# Altium PCB TempdevAmmy1009.PcbDoc (part 3 of 4)
Units mm, origin at the board's own origin, x right, y up, seen from the top; angles counter-clockwise.
Board outline 80.31 x 100.3 mm, 2 copper layers (Top Layer, Bottom Layer); 948 components, 586 nets, 3088 pads, 189 vias.
Unrouted connection lines stored in the file: 1751.
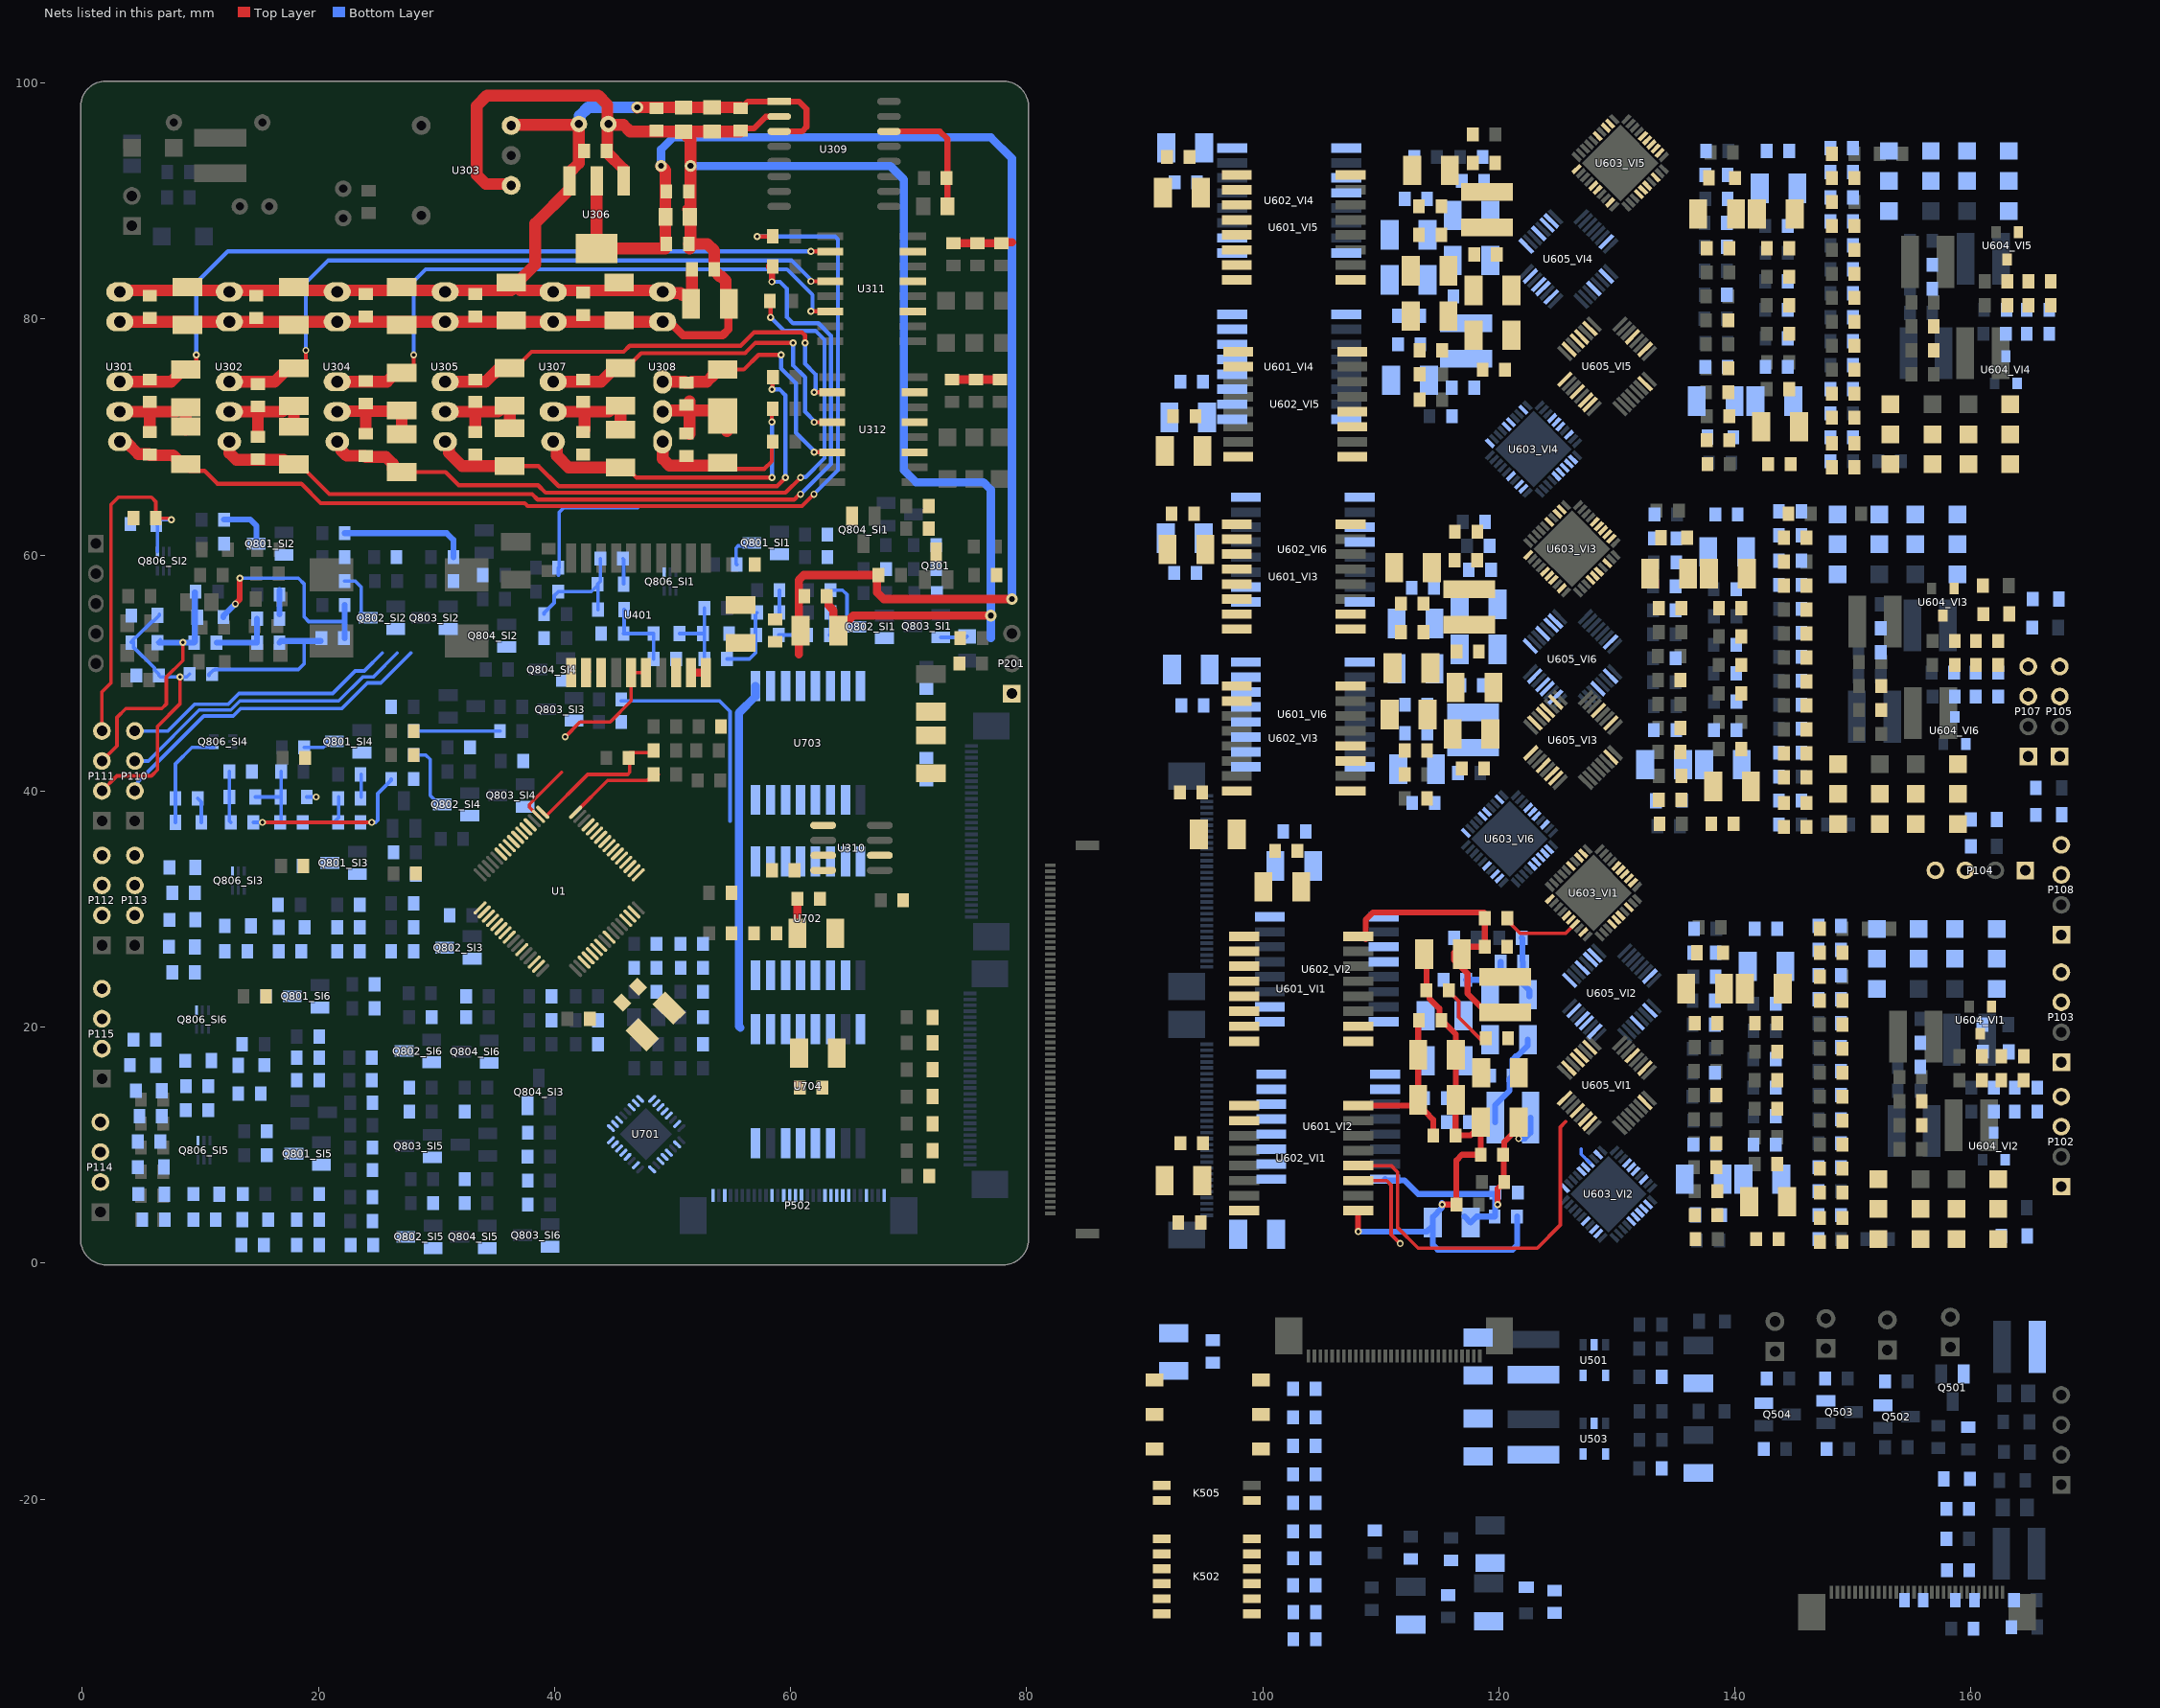
[diagram p3: the nets of this part, all layers, seen from the top]

## Footprints (in the part's own frame and the unit in brackets; to place one, negate y for a bottom-side part, rotate by r counter-clockwise, add the part's x,y. Pads: shape width x height; smd on the part's side, far side on the other; paste and mask are expansions set on the pad) (continued)
TI-RHB32-3150X3150TP_V [mm]
  oval 0.85x0.28 smd: 1(-2.475,1.75) 2(-2.475,1.25) 3(-2.475,0.75) 4(-2.475,0.25) 5(-2.475,-0.25) 6(-2.475,-0.75) 7(-2.475,-1.25) 8(-2.475,-1.75) 17(2.475,-1.75) 18(2.475,-1.25) 19(2.475,-0.75) 20(2.475,-0.25) 21(2.475,0.25) 22(2.475,0.75) 23(2.475,1.25) 24(2.475,1.75)
  oval 0.28x0.85 smd: 9(-1.75,-2.475) 10(-1.25,-2.475) 11(-0.75,-2.475) 12(-0.25,-2.475) 13(0.25,-2.475) 14(0.75,-2.475) 15(1.25,-2.475) 16(1.75,-2.475) 25(1.75,2.475) 26(1.25,2.475) 27(0.75,2.475) 28(0.25,2.475) 29(-0.25,2.475) 30(-0.75,2.475) 31(-1.25,2.475) 32(-1.75,2.475)
  rect 3.15x3.15 smd: 33(0,0)
  silkscreen extent -3.35,-2.58 2.58,2.57
TL431 [mm] "安邦AnBon"
  rect 0.8x1 smd mask+0.051: 1(-0.936,-1.11) 2(0.964,-1.11) 3(0.014,1.19)
  silkscreen extent -1.49,-0.66 1.51,0.74
TO-01 [mm] "2pin拨码"
  rect 1.5x1.1 smd mask+0.051: 1(-0.012,0.06) 2(8.988,0.06)
  silkscreen extent 1.39,-1.21 7.59,1.33
VSL4012 [mm]
  rect 4.4x1.5 smd: 1(0,1.5) 2(0,-1.5)
  silkscreen extent -2.5,-2.5 2.5,2.5, body extent -1.99,-2.12 1.99,1.86, height 1.2
WRB_SD-3WR2 [mm] "金升阳"
  round 1.6 hole 0.8: 1(0,0) 4(0,-7.62) 5(7.62,-7.62) 6(7.62,-5.08) 7(7.62,-2.54)
  silkscreen extent -3.44,-11.06 11.06,3.44, body extent -3.19,-10.81 10.81,3.19, height 9.2

## Part data
C201 C203 C303 C304 C307 C310 C311 C312 C313 C317 C320 C321 C324 C325 C326 C327 C332 C333 C336 C337 C340 C341 C342 C343 C348 C349 C351 C403 C404 C405 C406 C501 C504 C506 C508 C509 C510 C513 C514 C605_VI1 C605_VI2 C605_VI3 C605_VI4 C605_VI5 C605_VI6 C606_VI1 C606_VI2 C606_VI3 C606_VI4 C606_VI5 C606_VI6 C607_VI1 C607_VI2 C607_VI3 C607_VI4 C607_VI5 C607_VI6 C608_VI1 C608_VI2 C608_VI3 C608_VI4 C608_VI5 C608_VI6 C611_VI1 C611_VI2 C611_VI3 C611_VI4 C611_VI5 C611_VI6 C612_VI1 C612_VI2 C612_VI3 C612_VI4 C612_VI5 C612_VI6 C613_VI1 C613_VI2 C613_VI3 C613_VI4 C613_VI5 C613_VI6 C614_VI1 C614_VI2 C614_VI3 C614_VI4 C614_VI5 C614_VI6 C615_VI1 C615_VI2 C615_VI3 C615_VI4 C615_VI5 C615_VI6 C616_VI1 C616_VI2 C616_VI3 C616_VI4 C616_VI5 C616_VI6 C617_VI1 C617_VI2 C617_VI3 C617_VI4 C617_VI5 C617_VI6 C620_VI1 C620_VI2 C620_VI3 C620_VI4 C620_VI5 C620_VI6 C621_VI1 C621_VI2 C621_VI3 C621_VI4 C621_VI5 C621_VI6 C622_VI1 C622_VI2 C622_VI3 C622_VI4 C622_VI5 C622_VI6 C623_VI1 C623_VI2 C623_VI3 C623_VI4 C623_VI5 C623_VI6 C624_VI1 C624_VI2 C624_VI3 C624_VI4 C624_VI5 C624_VI6 C627_VI1 C627_VI2 C627_VI3 C627_VI4 C627_VI5 C627_VI6 C628_VI1 C628_VI2 C628_VI3 C628_VI4 C628_VI5 C628_VI6 C629_VI1 C629_VI2 C629_VI3 C629_VI4 C629_VI5 C629_VI6 C630_VI1 C630_VI2 C630_VI3 C630_VI4 C630_VI5 C630_VI6 C631_VI1 C631_VI2 C631_VI3 C631_VI4 C631_VI5 C631_VI6 C632_VI1 C632_VI2 C632_VI3 C632_VI4 C632_VI5 C632_VI6 C633_VI1 C633_VI2 C633_VI3 C633_VI4 C633_VI5 C633_VI6 C703 C704 C705 C706 C707 C708 C709 C710 C711 C712 C713 C715 C717 C719 C801_SI1 C801_SI2 C801_SI3 C801_SI4 C801_SI5 C801_SI6 C802_SI1 C802_SI2 C802_SI3 C802_SI4 C802_SI5 C802_SI6 C803_SI1 C803_SI2 C803_SI3 C803_SI4 C803_SI5 C803_SI6 C804_SI1 C804_SI2 C804_SI3 C804_SI4 C804_SI5 C804_SI6 C805_SI1 C805_SI2 C805_SI3 C805_SI4 C805_SI5 C805_SI6: library part Cap, "Capacitor"
  C303 C304 C307 C310 C311 C312 C313 C317 C320 C321 C324 C325 C326 C327 C332 C333 C336 C337 C340 C341 C342 C343 C348 C349 C351 C403 C404 C405 C406 C703 C704 C705 C706 C707 C708 C709 C710 C711 C712 C713 C715 C717 C719 C801_SI1 C801_SI2 C801_SI3 C801_SI4 C801_SI5 C801_SI6 C802_SI1 C802_SI2 C802_SI3 C802_SI4 C802_SI5 C802_SI6 C803_SI1 C803_SI2 C803_SI3 C803_SI4 C803_SI5 C803_SI6 C804_SI1 C804_SI2 C804_SI3 C804_SI4 C804_SI5 C804_SI6 C805_SI1 C805_SI2 C805_SI3 C805_SI4 C805_SI5 C805_SI6: LatestRevisionDate=17-Jul-2002, LatestRevisionNote="Re-released for DXP Platform.", PackageDescription="Radial Cap, Thru-Hole; 2 Leads; 0.3 in Pin Spacing", PackageReference=RAD-0.3, Published=8-Jun-2000, Publisher="Altium Limited"
  C605_VI1 C605_VI2 C605_VI3 C605_VI4 C605_VI5 C605_VI6 C606_VI1 C606_VI2 C606_VI3 C606_VI4 C606_VI5 C606_VI6 C607_VI1 C607_VI2 C607_VI3 C607_VI4 C607_VI5 C607_VI6 C608_VI1 C608_VI2 C608_VI3 C608_VI4 C608_VI5 C608_VI6 C611_VI1 C611_VI2 C611_VI3 C611_VI4 C611_VI5 C611_VI6 C612_VI1 C612_VI2 C612_VI3 C612_VI4 C612_VI5 C612_VI6 C620_VI1 C620_VI2 C620_VI3 C620_VI4 C620_VI5 C620_VI6 C621_VI1 C621_VI2 C621_VI3 C621_VI4 C621_VI5 C621_VI6 C627_VI1 C627_VI2 C627_VI3 C627_VI4 C627_VI5 C627_VI6 C628_VI1 C628_VI2 C628_VI3 C628_VI4 C628_VI5 C628_VI6: 厂家=国巨, 参数=104, 编号=C113803
  C613_VI1 C613_VI2 C613_VI3 C613_VI4 C613_VI5 C613_VI6 C615_VI1 C615_VI2 C615_VI3 C615_VI4 C615_VI5 C615_VI6: 厂家=国巨, 参数=2.2uF, 编号=C914769
  C614_VI1 C614_VI2 C614_VI3 C614_VI4 C614_VI5 C614_VI6 C633_VI1 C633_VI2 C633_VI3 C633_VI4 C633_VI5 C633_VI6: 厂家=国巨, 参数=22nF, 编号=C106222
  C616_VI1 C616_VI2 C616_VI3 C616_VI4 C616_VI5 C616_VI6 C622_VI1 C622_VI2 C622_VI3 C622_VI4 C622_VI5 C622_VI6 C623_VI1 C623_VI2 C623_VI3 C623_VI4 C623_VI5 C623_VI6: 参数=NC
  C617_VI1 C617_VI2 C617_VI3 C617_VI4 C617_VI5 C617_VI6: 厂家=国巨, 参数=4.7nF, 编号=C106218
  C624_VI1 C624_VI2 C624_VI3 C624_VI4 C624_VI5 C624_VI6: 厂家=国巨, 参数=300pF, 编号=C519478
  C629_VI1 C629_VI2 C629_VI3 C629_VI4 C629_VI5 C629_VI6: 厂家=国巨, 参数=150pF, 编号=C519499
  C630_VI1 C630_VI2 C630_VI3 C630_VI4 C630_VI5 C630_VI6 C632_VI1 C632_VI2 C632_VI3 C632_VI4 C632_VI5 C632_VI6: 厂家=国巨, 参数=1uF, 编号=C106248
  C631_VI1 C631_VI2 C631_VI3 C631_VI4 C631_VI5 C631_VI6: 厂家=国巨, 参数=4700pF, 编号=C2180916
C202 C301 C302 C305 C306 C308 C309 C314 C315 C316 C318 C319 C322 C323 C328 C329 C330 C331 C334 C335 C338 C339 C344 C345 C346 C347 C350 C401 C402 C502 C503 C505 C507 C511 C512 C515 C516 C601_VI1 C601_VI2 C601_VI3 C601_VI4 C601_VI5 C601_VI6 C602_VI1 C602_VI2 C602_VI3 C602_VI4 C602_VI5 C602_VI6 C603_VI1 C603_VI2 C603_VI3 C603_VI4 C603_VI5 C603_VI6 C604_VI1 C604_VI2 C604_VI3 C604_VI4 C604_VI5 C604_VI6 C609_VI1 C609_VI2 C609_VI3 C609_VI4 C609_VI5 C609_VI6 C610_VI1 C610_VI2 C610_VI3 C610_VI4 C610_VI5 C610_VI6 C618_VI1 C618_VI2 C618_VI3 C618_VI4 C618_VI5 C618_VI6 C619_VI1 C619_VI2 C619_VI3 C619_VI4 C619_VI5 C619_VI6 C625_VI1 C625_VI2 C625_VI3 C625_VI4 C625_VI5 C625_VI6 C626_VI1 C626_VI2 C626_VI3 C626_VI4 C626_VI5 C626_VI6 C701 C702 C714 C716 C718: library part "Cap Pol1", "Polarized Capacitor (Radial)", LatestRevisionDate=17-Jul-2002, LatestRevisionNote="Re-released for DXP Platform.", PackageDescription="Polarized Capacitor (Radial); 2 Leads", PackageReference=RB7.6-15, Published=8-Jun-2000, Publisher="Altium Limited"
D201 D202 D203 D204 D205 D206 D301 D302 D303 D304 D305 D306 D307 D308 D502 D507 D512 D513 D514 D604_VI1 D604_VI2 D604_VI3 D604_VI4 D604_VI5 D604_VI6 D605_VI1 D605_VI2 D605_VI3 D605_VI4 D605_VI5 D605_VI6 D606_VI1 D606_VI2 D606_VI3 D606_VI4 D606_VI5 D606_VI6 D607_VI1 D607_VI2 D607_VI3 D607_VI4 D607_VI5 D607_VI6 D608_VI1 D608_VI2 D608_VI3 D608_VI4 D608_VI5 D608_VI6 D609_VI1 D609_VI2 D609_VI3 D609_VI4 D609_VI5 D609_VI6: library part Diode, "Default Diode", Code_JEDEC=DO-214-AB, LatestRevisionDate=17-Jul-2002, LatestRevisionNote="Re-released for DXP Platform.", PackageDescription="DO-214-AB/SMC; 2 C-Bend Leads; Body 7.9 x 5.9 mm, inc. leads (LxW)", PackageReference=SMC, PackageVersion=Sep-1996, Published=8-Jun-2000, Publisher="Altium Limited"
D401 D402 D403 D501 D503 D504 D505 D506 D601_VI1 D601_VI2 D601_VI3 D601_VI4 D601_VI5 D601_VI6 D602_VI1 D602_VI2 D602_VI3 D602_VI4 D602_VI5 D602_VI6 D603_VI1 D603_VI2 D603_VI3 D603_VI4 D603_VI5 D603_VI6: library part "D Zener", "Zener Diode", LatestRevisionDate=17-Jul-2002, LatestRevisionNote="Re-released for DXP Platform.", PackageDescription="Diode, Thru-Hole; 2 Leads; 0.7 in Pin Spacing", PackageReference=DIODE-0.7, Published=8-Jun-2000, Publisher="Altium Limited"
D508 D509 D510 D511: library part LED2, "Typical RED, GREEN, YELLOW, AMBER GaAs LED", LatestRevisionDate=17-Jul-2002, LatestRevisionNote="Re-released for DXP Platform.", PackageDescription="SM LED; 2 Flat Leads", PackageReference=3.2X1.6X1.1, PackageVersion=Feb-2002, Published=8-Jun-2000, Publisher="Altium Limited"
D801_SI1 D801_SI2 D801_SI3 D801_SI4 D801_SI5 D801_SI6 D802_SI1 D802_SI2 D802_SI3 D802_SI4 D802_SI5 D802_SI6 D803_SI1 D803_SI2 D803_SI3 D803_SI4 D803_SI5 D803_SI6 D804_SI1 D804_SI2 D804_SI3 D804_SI4 D804_SI5 D804_SI6: library part "TVS DIODE"
F301: "Fuse", LatestRevisionDate=17-Jul-2002, LatestRevisionNote="Re-released for DXP Platform.", PackageDescription="Thru-Hole; 2 Leads", PackageReference=PIN-W2/E2.8, Published=8-Jun-2000, Publisher="Altium Limited"
K502: library part "Toggle switch-6P", "Toggle switch-6P"
L301 L501 L502 L503 L504 L601_VI1 L601_VI2 L601_VI3 L601_VI4 L601_VI5 L601_VI6 L602_VI1 L602_VI2 L602_VI3 L602_VI4 L602_VI5 L602_VI6 L603_VI1 L603_VI2 L603_VI3 L603_VI4 L603_VI5 L603_VI6 L701 L702: library part Inductor
MOV401 MOV402 PTC401 PTC402: library part "Res Varistor", Code_IPC=RESC2012, LatestRevisionDate=29-May-2009, LatestRevisionNote="IPC-7351 Footprint Added.", PackageDescription="Chip Resistor 0805 Case Size", PackageReference=6-0805, PackageVersion=Mar-2003, Published=24-Mar-1999, Publisher="Altium Limited"
NTC701 R303: library part "Res Varistor", "Varistor (Voltage-Sensitive Resistor)", Code_IPC=RESC2012, LatestRevisionDate=29-May-2009, LatestRevisionNote="IPC-7351 Footprint Added.", PackageDescription="Chip Resistor 0805 Case Size", PackageReference=6-0805, PackageVersion=Mar-2003, Published=24-Mar-1999, Publisher="Altium Limited"
P101: "Header, 2-Pin", LatestRevisionDate=17-Jul-2002, LatestRevisionNote="Re-released for DXP Platform.", Publisher="Altium Limited"
P102 P103 P104 P105 P107 P108 P110 P111 P112 P113 P114 P115 P501: "Header, 4-Pin", LatestRevisionDate=17-Jul-2002, LatestRevisionNote="Re-released for DXP Platform.", Publisher="Altium Limited"
P106: "Header, 5-Pin", LatestRevisionDate=17-Jul-2002, LatestRevisionNote="Re-released for DXP Platform.", Publisher="Altium Limited"
P201: "Header, 3-Pin", LatestRevisionDate=17-Jul-2002, LatestRevisionNote="Re-released for DXP Platform.", Publisher="Altium Limited"
P502 P503 P504: "CONN for SSD1351", 厂家=台湾灿达, 型号=F0501WR-S-30PDT1
Q301 Q501 Q502 Q503 Q504 Q803_SI1 Q803_SI2 Q803_SI3 Q803_SI4 Q803_SI5 Q803_SI6: library part NPN, "NPN Bipolar Transistor", Code_JEDEC=TO-226-AA, LatestRevisionDate=17-Jul-2002, LatestRevisionNote="Re-released for DXP Platform.", PackageDescription="TO, Flat Index; 3 In-Line, Axial Leads; Body Dia. 4.8mm; Leads 0.55 x 0.51 mm (max)", PackageReference=TO-226-AA, Published=8-Jun-2000, Publisher="Altium Limited"
Q801_SI1 Q801_SI2 Q801_SI3 Q801_SI4 Q801_SI5 Q801_SI6 Q802_SI1 Q802_SI2 Q802_SI3 Q802_SI4 Q802_SI5 Q802_SI6 Q804_SI1 Q804_SI2 Q804_SI3 Q804_SI4 Q804_SI5 Q804_SI6: library part PNP, "PNP Bipolar Transistor", LatestRevisionDate=29-May-2009, LatestRevisionNote="IPC-7351 Footprint Added.", PackageDescription="3-Pin SOT-23 Package 0.95 mm Pitch, 2.4 mm Lead Span", PackageReference=SOT-23B, PackageVersion=Aug-1999, Published=8-Jun-2000, Publisher="Altium Limited"
Q805_SI1 Q805_SI2 Q805_SI3 Q805_SI4 Q805_SI5 Q805_SI6: library part MOSFET-N, "N-Channel MOSFET", LatestRevisionDate=17-Jul-2002, LatestRevisionNote="Re-released for DXP Platform.", PackageDescription="TO, Flat Index; 3 In-Line, Axial Leads; Body Dia. 4.6mm; Lead Dia. 0.5 mm (max)", PackageReference=E3, PackageVersion=1995/1996, Published=8-Jun-2000, Publisher="Altium Limited"
R201 R202 R203 R204 R205 R206 R207 R208 R209 R210 R211 R212 R213 R301 R302 R304 R305 R306 R307 R308 R309 R310 R311 R312 R313 R314 R315 R316 R317 R318 R319 R320 R401 R402 R403 R404 R405 R501 R502 R503 R504 R505 R506 R507 R508 R509 R510 R511 R512 R513 R514 R515 R516 R517 R518 R519 R520 R521 R522 R523 R524 R525 R526 R527 R528 R529 R530 R601_VI1 R601_VI2 R601_VI3 R601_VI4 R601_VI5 R601_VI6 R602_VI1 R602_VI2 R602_VI3 R602_VI4 R602_VI5 R602_VI6 R603_VI1 R603_VI2 R603_VI3 R603_VI4 R603_VI5 R603_VI6 R604_VI1 R604_VI2 R604_VI3 R604_VI4 R604_VI5 R604_VI6 R605_VI1 R605_VI2 R605_VI3 R605_VI4 R605_VI5 R605_VI6 R606_VI1 R606_VI2 R606_VI3 R606_VI4 R606_VI5 R606_VI6 R608_VI1 R608_VI2 R608_VI3 R608_VI4 R608_VI5 R608_VI6 R609_VI1 R609_VI2 R609_VI3 R609_VI4 R609_VI5 R609_VI6 R610_VI1 R610_VI2 R610_VI3 R610_VI4 R610_VI5 R610_VI6 R611_VI1 R611_VI2 R611_VI3 R611_VI4 R611_VI5 R611_VI6 R612_VI1 R612_VI2 R612_VI3 R612_VI4 R612_VI5 R612_VI6 R613_VI1 R613_VI2 R613_VI3 R613_VI4 R613_VI5 R613_VI6 R614_VI1 R614_VI2 R614_VI3 R614_VI4 R614_VI5 R614_VI6 R615_VI1 R615_VI2 R615_VI3 R615_VI4 R615_VI5 R615_VI6 R616_VI1 R616_VI2 R616_VI3 R616_VI4 R616_VI5 R616_VI6 R617_VI1 R617_VI2 R617_VI3 R617_VI4 R617_VI5 R617_VI6 R618_VI1 R618_VI2 R618_VI3 R618_VI4 R618_VI5 R618_VI6 R619_VI1 R619_VI2 R619_VI3 R619_VI4 R619_VI5 R619_VI6 R620_VI1 R620_VI2 R620_VI3 R620_VI4 R620_VI5 R620_VI6 R621_VI1 R621_VI2 R621_VI3 R621_VI4 R621_VI5 R621_VI6 R622_VI1 R622_VI2 R622_VI3 R622_VI4 R622_VI5 R622_VI6 R623_VI1 R623_VI2 R623_VI3 R623_VI4 R623_VI5 R623_VI6 R624_VI1 R624_VI2 R624_VI3 R624_VI4 R624_VI5 R624_VI6 R625_VI1 R625_VI2 R625_VI3 R625_VI4 R625_VI5 R625_VI6 R626_VI1 R626_VI2 R626_VI3 R626_VI4 R626_VI5 R626_VI6 R627_VI1 R627_VI2 R627_VI3 R627_VI4 R627_VI5 R627_VI6 R628_VI1 R628_VI2 R628_VI3 R628_VI4 R628_VI5 R628_VI6 R629_VI1 R629_VI2 R629_VI3 R629_VI4 R629_VI5 R629_VI6 R701 R702 R703 R704 R705 R706 R707 R708 R801_SI1 R801_SI2 R801_SI3 R801_SI4 R801_SI5 R801_SI6 R802_SI1 R802_SI2 R802_SI3 R802_SI4 R802_SI5 R802_SI6 R803_SI1 R803_SI2 R803_SI3 R803_SI4 R803_SI5 R803_SI6 R804_SI1 R804_SI2 R804_SI3 R804_SI4 R804_SI5 R804_SI6 R805_SI1 R805_SI2 R805_SI3 R805_SI4 R805_SI5 R805_SI6 R806_SI1 R806_SI2 R806_SI3 R806_SI4 R806_SI5 R806_SI6 R807_SI1 R807_SI2 R807_SI3 R807_SI4 R807_SI5 R807_SI6 R808_SI1 R808_SI2 R808_SI3 R808_SI4 R808_SI5 R808_SI6 R809_SI1 R809_SI2 R809_SI3 R809_SI4 R809_SI5 R809_SI6 R810_SI1 R810_SI2 R810_SI3 R810_SI4 R810_SI5 R810_SI6 R811_SI1 R811_SI2 R811_SI3 R811_SI4 R811_SI5 R811_SI6 R812_SI1 R812_SI2 R812_SI3 R812_SI4 R812_SI5 R812_SI6 R813_SI1 R813_SI2 R813_SI3 R813_SI4 R813_SI5 R813_SI6 R814_SI1 R814_SI2 R814_SI3 R814_SI4 R814_SI5 R814_SI6 R815_SI1 R815_SI2 R815_SI3 R815_SI4 R815_SI5 R815_SI6 R816_SI1 R816_SI2 R816_SI3 R816_SI4 R816_SI5 R816_SI6 R817_SI1 R817_SI2 R817_SI3 R817_SI4 R817_SI5 R817_SI6 R818_SI1 R818_SI2 R818_SI3 R818_SI4 R818_SI5 R818_SI6 R819_SI1 R819_SI2 R819_SI3 R819_SI4 R819_SI5 R819_SI6: library part Res2, "Resistor"
  R201 R202 R203 R204 R205 R206 R207 R208 R209 R210 R211 R212 R213 R301 R302 R304 R305 R306 R307 R308 R309 R310 R311 R312 R313 R314 R315 R316 R317 R318 R319 R320 R401 R402 R403 R404 R405 R501 R502 R503 R504 R505 R506 R507 R508 R509 R510 R511 R512 R513 R514 R515 R516 R517 R518 R519 R520 R521 R522 R523 R524 R525 R526 R527 R528 R529 R530 R701 R702 R703 R704 R705 R706 R707 R708 R801_SI1 R801_SI2 R801_SI3 R801_SI4 R801_SI5 R801_SI6 R802_SI1 R802_SI2 R802_SI3 R802_SI4 R802_SI5 R802_SI6 R803_SI1 R803_SI2 R803_SI3 R803_SI4 R803_SI5 R803_SI6 R804_SI1 R804_SI2 R804_SI3 R804_SI4 R804_SI5 R804_SI6 R805_SI1 R805_SI2 R805_SI3 R805_SI4 R805_SI5 R805_SI6 R806_SI1 R806_SI2 R806_SI3 R806_SI4 R806_SI5 R806_SI6 R807_SI1 R807_SI2 R807_SI3 R807_SI4 R807_SI5 R807_SI6 R808_SI1 R808_SI2 R808_SI3 R808_SI4 R808_SI5 R808_SI6 R809_SI1 R809_SI2 R809_SI3 R809_SI4 R809_SI5 R809_SI6 R810_SI1 R810_SI2 R810_SI3 R810_SI4 R810_SI5 R810_SI6 R811_SI1 R811_SI2 R811_SI3 R811_SI4 R811_SI5 R811_SI6 R812_SI1 R812_SI2 R812_SI3 R812_SI4 R812_SI5 R812_SI6 R813_SI1 R813_SI2 R813_SI3 R813_SI4 R813_SI5 R813_SI6 R814_SI1 R814_SI2 R814_SI3 R814_SI4 R814_SI5 R814_SI6 R815_SI1 R815_SI2 R815_SI3 R815_SI4 R815_SI5 R815_SI6 R816_SI1 R816_SI2 R816_SI3 R816_SI4 R816_SI5 R816_SI6 R817_SI1 R817_SI2 R817_SI3 R817_SI4 R817_SI5 R817_SI6 R818_SI1 R818_SI2 R818_SI3 R818_SI4 R818_SI5 R818_SI6 R819_SI1 R819_SI2 R819_SI3 R819_SI4 R819_SI5 R819_SI6: LatestRevisionDate=17-Jul-2002, LatestRevisionNote="Re-released for DXP Platform.", PackageDescription="Axial Device, Thru-Hole; 2 Leads; 0.4 in Pin Spacing", PackageReference=AXIAL-0.4, Published=8-Jun-2000, Publisher="Altium Limited"
  R601_VI1 R601_VI2 R601_VI3 R601_VI4 R601_VI5 R601_VI6 R616_VI1 R616_VI2 R616_VI3 R616_VI4 R616_VI5 R616_VI6 R618_VI1 R618_VI2 R618_VI3 R618_VI4 R618_VI5 R618_VI6 R620_VI1 R620_VI2 R620_VI3 R620_VI4 R620_VI5 R620_VI6 R623_VI1 R623_VI2 R623_VI3 R623_VI4 R623_VI5 R623_VI6 R624_VI1 R624_VI2 R624_VI3 R624_VI4 R624_VI5 R624_VI6 R626_VI1 R626_VI2 R626_VI3 R626_VI4 R626_VI5 R626_VI6: 厂家=国巨, 参数=10K, 编号=C862388
  R602_VI1 R602_VI2 R602_VI3 R602_VI4 R602_VI5 R602_VI6 R604_VI1 R604_VI2 R604_VI3 R604_VI4 R604_VI5 R604_VI6 R605_VI1 R605_VI2 R605_VI3 R605_VI4 R605_VI5 R605_VI6 R613_VI1 R613_VI2 R613_VI3 R613_VI4 R613_VI5 R613_VI6 R614_VI1 R614_VI2 R614_VI3 R614_VI4 R614_VI5 R614_VI6 R617_VI1 R617_VI2 R617_VI3 R617_VI4 R617_VI5 R617_VI6 R619_VI1 R619_VI2 R619_VI3 R619_VI4 R619_VI5 R619_VI6 R621_VI1 R621_VI2 R621_VI3 R621_VI4 R621_VI5 R621_VI6 R622_VI1 R622_VI2 R622_VI3 R622_VI4 R622_VI5 R622_VI6 R625_VI1 R625_VI2 R625_VI3 R625_VI4 R625_VI5 R625_VI6: 厂家=国巨, 参数=0, 编号=C100044
  R603_VI1 R603_VI2 R603_VI3 R603_VI4 R603_VI5 R603_VI6: 厂家=国巨, 参数=13.7k, 编号=C861119
  R606_VI1 R606_VI2 R606_VI3 R606_VI4 R606_VI5 R606_VI6: 厂家=国巨, 参数=10Ω, 编号=C109318
  R608_VI1 R608_VI2 R608_VI3 R608_VI4 R608_VI5 R608_VI6 R609_VI1 R609_VI2 R609_VI3 R609_VI4 R609_VI5 R609_VI6 R610_VI1 R610_VI2 R610_VI3 R610_VI4 R610_VI5 R610_VI6 R611_VI1 R611_VI2 R611_VI3 R611_VI4 R611_VI5 R611_VI6: 厂家=国巨, 参数=1K, 编号=C110776
  R612_VI1 R612_VI2 R612_VI3 R612_VI4 R612_VI5 R612_VI6 R615_VI1 R615_VI2 R615_VI3 R615_VI4 R615_VI5 R615_VI6: 厂家=国巨, 参数=3k, 编号=C137628
  R627_VI1 R627_VI2 R627_VI3 R627_VI4 R627_VI5 R627_VI6: 厂家=国巨, 参数=150k, 编号=C115417
  R628_VI1 R628_VI2 R628_VI3 R628_VI4 R628_VI5 R628_VI6 R629_VI1 R629_VI2 R629_VI3 R629_VI4 R629_VI5 R629_VI6: 厂家=国巨, 参数=1.62M, 编号=C482643
R607_VI1 R607_VI2 R607_VI3 R607_VI4 R607_VI5 R607_VI6: library part Res2, 厂家=国巨, 参数=4.7K, 编号='C705902
U501 U503: library part TPS61040, "BOOST Converter"
U605_VI1 U605_VI2 U605_VI3 U605_VI4 U605_VI5 U605_VI6: "HART and FOUNDATION Fieldbus / PROFIBUS PA Modem"
U604_VI1 U604_VI2 U604_VI3 U604_VI4 U604_VI5 U604_VI6: 厂家=安邦, 编号=C397594

## Via types
v1: diameter 0.5, hole 0.2, Top Layer to Bottom Layer, 96 vias
v2: diameter 0.6, hole 0.3, Top Layer to Bottom Layer, 79 vias
v3: diameter 0.5, hole 0.3, Top Layer to Bottom Layer, 9 vias
v4: diameter 1, hole 0.5, Top Layer to Bottom Layer, 5 vias

## Nets (pads, with @x,y where several pads share a name; then routed paths per layer and width w, separated by ;. In a path a pad name is that pad's centre, name@x,y a point inside that pad or via, vN(x,y) a via of type N, cw(c..) or ccw(c..) an arc to the next point about the centre after c; other vN are vias at no path point)
3.3V: C702.1 C704.1 L701.2 Q801_SI1.3 Q801_SI2.3 Q801_SI3.3 Q801_SI4.3 Q801_SI5.3 Q801_SI6.3 Q802_SI1.3 Q802_SI2.3 Q802_SI3.3 Q802_SI4.3 Q802_SI5.3 Q802_SI6.3 Q804_SI1.3 Q804_SI2.3 Q804_SI3.3 Q804_SI4.3 Q804_SI5.3 Q804_SI6.3 R801_SI1.2 R801_SI2.2 R801_SI3.2 R801_SI4.2 R801_SI5.2 R801_SI6.2 R802_SI1.2 R802_SI2.2 R802_SI3.2 R802_SI4.2 R802_SI5.2 R802_SI6.2 U701.26
3.3VCC: C202.1 C203.1 C331.1 C333.1 C350.1 C351.1 C401.1 C403.1 C502.1 C503.1 C504.1 C513.1 C515.1 C601_VI1.1 C601_VI2.1 C601_VI3.1 C601_VI4.1 C601_VI5.1 C601_VI6.1 C603_VI1.1 C603_VI2.1 C603_VI3.1 C603_VI4.1 C603_VI5.1 C603_VI6.1 C605_VI1.1 C605_VI2.1 C605_VI3.1 C605_VI4.1 C605_VI5.1 C605_VI6.1 C607_VI1.1 C607_VI2.1 C607_VI3.1 C607_VI4.1 C607_VI5.1 C607_VI6.1 C714.1 C715.1 C716.1 C717.1 C718.1 C719.1 L503.1 L504.1 P502.4 P502.17 R203.2 R213.1 R304.1 R306.1 R307.1 R308.1 R309.1 R310.1 R311.1 R314.1 R507.1 R508.1 R509.1 R510.1 R511.1 R512.1 R513.1 R514.1 R515.1 R516.1 R517.1 R519.1 R521.1 R523.1 U1.19 U1.20 U306.2 U310.8 U401.2 U401.8 U501.4 U501.5 U503.4 U503.5 U601_VI1.1 U601_VI2.1 U601_VI3.1 U601_VI4.1 U601_VI5.1 U601_VI6.1 U602_VI1.1 U602_VI2.1 U602_VI3.1 U602_VI4.1 U602_VI5.1 U602_VI6.1 U702.1 U703.1 U704.1 | length 156.6
  Top Layer w0.7: U401.2@42.672,50.038 U401.2@42.747,50.113 ; U401.8@50.217,50.113 U401.8@50.292,50.038 ; C401.1@55.626,55.88 C401.1@55.753,55.753 C401.1@55.829,55.677 ; C718.1@60.579,27.94 C719.1@60.579,30.861 ; 60.69,51.562 60.69,53.594 60.69,57.883 61.1,58.293 67.315,58.293 67.31,58.288 67.31,56.83 67.879,56.261 v4(78.74,56.261) ; R309.1@73.66,74.864 R310.1@75.692,74.864 R311.1@77.724,74.864 ; R306.1@73.787,86.421 R307.1@75.819,86.421 R308.1@77.851,86.421 77.917,86.487 78.74,86.487
  Top Layer w1: U306.2@43.561,91.694 U306.2@43.561,85.979 49.387,85.979 49.387,92.599 C331.1@49.022,92.964
  Bottom Layer w0.7: C331.1@49.022,92.964 49.022,94.361 50.038,95.377 76.962,95.377 78.74,93.599 v4(78.74,56.261) ; 55.753,19.939 55.626,20.066 55.626,46.626 57.023,48.023 U703.1@57.023,48.893
3.3VS: C345.1 C349.2 C701.1 C703.1 L701.1 R305.2 U309.14 U701.2 U702.16 U703.16 U704.16 | length 10.9
  Top Layer w0.5: U309.14@68.326,95.885 72.644,95.885 73.279,95.25 73.279,91.948 C345.1@73.279,89.535
3.3VSON: R304.2 U1.25 U310.7
3W/4\W\(ON)_SI1: R803_SI1.2 R805_SI1.2 U703.15
3W/4\W\(ON)_SI2: R803_SI2.2 R805_SI2.2 U703.14 | length 10.9
  Bottom Layer w0.5: R803_SI2.2@22.22,61.849 30.861,61.849 31.43,61.28 R805_SI2.2@31.43,59.817
3W/4\W\(ON)_SI3: R803_SI3.2 R805_SI3.2 U703.13 | length 18.8
  Bottom Layer w0.3: R805_SI3.2@45.654,47.625 53.975,47.625 54.864,46.736 54.864,37.465
3W/4\W\(ON)_SI4: R803_SI4.2 R805_SI4.2 U703.12 | length 7.3
  Bottom Layer w0.3: R803_SI4.2@28.062,45.085 R805_SI4.2@35.372,45.085
3W/4\W\(ON)_SI5: R803_SI5.2 R805_SI5.2 U703.11
3W/4\W\(ON)_SI6: R803_SI6.2 R805_SI6.2 U703.10
3W/4W+_SI1: D802_SI1.2 D803_SI1.2 P110.3 R815_SI1.1 R816_SI1.2 | length 32.3
  Bottom Layer w0.3: P110.3@4.445,42.545 5.588,42.545 9.898,46.855 12.565,46.855 13.335,47.625 21.717,47.625 23.757,49.665 24.646,49.665 26.67,51.689 ; D803_SI1.2@50.587,53.34 D802_SI1.2@52.578,53.34 ; R816_SI1.2@52.705,51.181 R815_SI1.1@52.705,55.499
3W/4W+_SI2: D802_SI2.2 D803_SI2.2 P111.3 R815_SI2.1 R816_SI2.2 | length 22.4
  Top Layer w0.3: P111.3@1.651,42.545 2.921,43.815 2.921,46.228 3.683,46.99 6.731,46.99 7.112,47.371 7.112,49.657 8.509,51.054 v2(8.509,52.578)
  Bottom Layer w0.3: D803_SI2.2@6.35,52.578 D803_SI2.2@6.604,52.832 ; R815_SI2.1@9.464,56.769 9.527,56.832 R815_SI2.1@9.591,56.896
  Bottom Layer w0.5: D803_SI2.2@6.518,52.578 R816_SI2.2@9.464,52.578 9.527,52.642 R815_SI2.1@9.527,56.832
3W/4W+_SI3: D802_SI3.2 D803_SI3.2 P112.3 R815_SI3.1 R816_SI3.2
3W/4W+_SI4: D802_SI4.2 D803_SI4.2 P113.3 R815_SI4.1 R816_SI4.2 | length 6.5
  Bottom Layer w0.3: D803_SI4.2@14.646,39.497 D802_SI4.2@16.807,39.497 ; R816_SI4.2@16.764,37.338 16.83,37.404 16.83,39.497 R815_SI4.1@16.83,41.656
3W/4W+_SI5: D802_SI5.2 D803_SI5.2 P114.3 R815_SI5.1 R816_SI5.2
3W/4W+_SI6: D802_SI6.2 D803_SI6.2 P115.3 R815_SI6.1 R816_SI6.2
3W/4W-_SI1: D803_SI1.1 D804_SI1.2 P110.2 R817_SI1.2 R818_SI1.2 | length 35.3
  Bottom Layer w0.3: P110.2@4.445,40.005 4.675,40.235 4.675,40.743 10.287,46.355 12.772,46.355 13.407,46.99 21.971,46.99 24.146,49.165 25.289,49.165 27.813,51.689 ; D804_SI1.2@45.888,55.372 45.888,53.381 R818_SI1.2@45.847,53.34 D803_SI1.1@48.387,53.34 R817_SI1.2@48.387,51.181
3W/4W-_SI2: D803_SI2.1 D804_SI2.2 P111.2 R817_SI2.2 R818_SI2.2 | length 24
  Top Layer w0.3: P111.2@1.651,40.005 2.921,41.275 5.842,41.275 6.35,41.783 6.35,45.466 8.255,47.371 v2(8.255,49.657)
  Bottom Layer w0.3: D803_SI2.1@4.15,52.578 4.15,52.623 4.262,52.734 4.262,52.79 4.5,53.028 4.555,53.028 5.891,54.364 6,54.364 6.518,54.882 D804_SI2.2@6.518,54.991 ; D803_SI2.1@4.318,52.678 4.318,52.197 6.127,50.388 6.127,50.234 6.45,49.911 R818_SI2.2@6.477,49.911 ; R818_SI2.2@6.477,49.784 6.604,49.657 v2(8.255,49.657) 8.829,49.657 R817_SI2.2@9.083,49.911
3W/4W-_SI3: D803_SI3.1 D804_SI3.2 P112.2 R817_SI3.2 R818_SI3.2
3W/4W-_SI4: D803_SI4.1 D804_SI4.2 P113.2 R817_SI4.2 R818_SI4.2 | length 4.4
  Bottom Layer w0.3: R818_SI4.2@12.446,41.656 D803_SI4.1@12.446,39.497 12.446,37.465 R817_SI4.2@12.573,37.338
3W/4W-_SI5: D803_SI5.1 D804_SI5.2 P114.2 R817_SI5.2 R818_SI5.2
3W/4W-_SI6: D803_SI6.1 D804_SI6.2 P115.2 R817_SI6.2 R818_SI6.2
3W/4WON1: U1.45 U703.2
3W/4WON2: U1.44 U703.3
3W/4WON3: U1.43 U703.4
3W/4WON4: U1.42 U703.5
3W/4WON5: U1.41 U703.6
3W/4WON6: U1.40 U703.7
3W_ON_G_SI1: Q802_SI1.1 R813_SI1.1 | length 5.3
  Bottom Layer w0.3: R813_SI1.1@63.368,57.023 64.389,57.023 64.77,56.642 64.77,54.749 64.96,54.559 64.96,54.259 65.31,53.909 Q802_SI1.1@65.483,53.909 ; Q802_SI1.1@65.29,54.102 Q802_SI1.1@65.483,53.909 ; Q802_SI1.1@65.61,53.782 Q802_SI1.1@65.483,53.909 ; Q802_SI1.1@65.61,53.909 Q802_SI1.1@65.483,53.909
3W_ON_G_SI2: Q802_SI2.1 R813_SI2.1 | length 4.6
  Bottom Layer w0.3: R813_SI2.1@22.22,57.785 23.114,57.785 23.622,57.277 23.622,55.026 23.972,54.676 Q802_SI2.1@24.208,54.676
3W_ON_G_SI3: Q802_SI3.1 R813_SI3.1
3W_ON_G_SI4: Q802_SI4.1 R813_SI4.1 | length 6
  Bottom Layer w0.3: R813_SI4.1@28.062,43.053 29.083,43.053 29.464,42.672 29.464,39.624 29.83,39.258 29.83,39.212 30.18,38.862 Q802_SI4.1@30.48,38.862
3W_ON_G_SI5: Q802_SI5.1 R813_SI5.1
3W_ON_G_SI6: Q802_SI6.1 R813_SI6.1
4W_ON_G_SI1: Q801_SI1.1 R812_SI1.1 | length 2.9
  Bottom Layer w0.3: R812_SI1.1@55.433,59.182 55.372,59.243 55.372,60.596 55.548,60.772 Q801_SI1.1@56.72,60.772
4W_ON_G_SI2: Q801_SI2.1 R812_SI2.1 | length 4.5
  Bottom Layer w0.5: R812_SI2.1@11.999,62.992 14.224,62.992 14.732,62.484 Q801_SI2.1@14.732,60.96
4W_ON_G_SI3: Q801_SI3.1 R812_SI3.1
4W_ON_G_SI4: Q801_SI4.1 R812_SI4.1 | length 2.6
  Bottom Layer w0.3: R812_SI4.1@18.796,43.688 20.401,43.688 20.909,44.196 Q801_SI4.1@21.209,44.196
4W_ON_G_SI5: Q801_SI5.1 R812_SI5.1
4W_ON_G_SI6: Q801_SI6.1 R812_SI6.1
4W_SI1: C801_SI1.1 D801_SI1.2 P110.4 Q806_SI1.1 | length 25.9
  Bottom Layer w0.3: P110.4@4.445,45.085 7.239,45.085 9.509,47.355 12.358,47.355 13.263,48.26 21.209,48.26 23.114,50.165 23.876,50.165 25.4,51.689 ; C801_SI1.1@45.781,59.69 45.847,59.624 D801_SI1.2@45.847,57.531
4W_SI2: C801_SI2.1 D801_SI2.2 P111.4 Q806_SI2.1 | length 30.4
  Top Layer w0.3: P111.4@1.651,45.085 1.651,48.387 2.413,49.149 2.413,64.262 3.048,64.897 5.842,64.897 6.223,64.516 C801_SI2.1@6.223,63.119 v2@7.62,63.119
  Bottom Layer w0.3: D801_SI2.2@6.264,62.611 6.645,62.992 v2(7.534,62.992) ; D801_SI2.2@6.35,62.738 6.358,62.73 Q806_SI2.1@6.358,60.274
4W_SI3: C801_SI3.1 D801_SI3.2 P112.4 Q806_SI3.1
4W_SI4: C801_SI4.1 D801_SI4.2 P113.4 Q806_SI4.1 | length 8.8
  Bottom Layer w0.3: D801_SI4.2@7.874,37.338 C801_SI4.1@7.874,39.37 7.874,42.291 9.279,43.696 Q806_SI4.1@11.138,43.696
4W_SI5: C801_SI5.1 D801_SI5.2 P114.4 Q806_SI5.1
4W_SI6: C801_SI6.1 D801_SI6.2 P115.4 Q806_SI6.1
5VGND: C201.1 C202.2 C203.2 C308.2 C309.2 C310.1 C311.1 C316.2 C317.1 C322.2 C323.2 C324.1 C325.1 C330.2 C331.2 C332.1 C333.2 C338.2 C339.2 C340.1 C341.1 C344.2 C348.1 C350.2 C351.2 C401.2 C403.2 C502.2 C503.2 C504.2 C505.2 C507.2 C508.2 C509.2 C510.2 C511.2 C512.2 C513.2 C515.2 C516.2 C601_VI1.2 C601_VI2.2 C601_VI3.2 C601_VI4.2 C601_VI5.2 C601_VI6.2 C603_VI1.2 C603_VI2.2 C603_VI3.2 C603_VI4.2 C603_VI5.2 C603_VI6.2 C605_VI1.2 C605_VI2.2 C605_VI3.2 C605_VI4.2 C605_VI5.2 C605_VI6.2 C607_VI1.2 C607_VI2.2 C607_VI3.2 C607_VI4.2 C607_VI5.2 C607_VI6.2 C714.2 C715.2 C716.2 C717.2 C718.2 C719.2 D504.1 D505.1 D507.1 D513.2 K501.1 K502.1 K502.2 K502.3 K502.4 K502.5 K502.6 K503.1 K504.1 K505.1 K505.3 L502.1 P201.1 P502.1 P502.7 P502.8 P502.9 P502.10 P502.11 P502.15 P502.16 P502.18 P502.20 P502.28 P502.30 Q301.3 Q501.3 Q502.3 Q503.3 Q504.3 R318.2 R505.2 R526.2 R528.1 R530.2 U1.21 U301.2 U302.2 U303.7 U304.2 U305.2 U306.1 U307.2 U308.2 U309.2 U310.2 U310.5 U311.11 U311.13 U311.15 U312.11 U312.13 U312.15 U401.1 U401.3 U401.9 U401.10 U501.2 U503.2 U601_VI1.8 U601_VI2.8 U601_VI3.8 U601_VI4.8 U601_VI5.8 U601_VI6.8 U602_VI1.8 U602_VI2.8 U602_VI3.8 U602_VI4.8 U602_VI5.8 U602_VI6.8 U702.8 U703.8 U704.2 U704.8 | length 198.3
  Top Layer w0.5: C332.1@55.753,95.885 56.014,96.146 56.903,96.146 57.893,97.136 59.007,97.136 U309.2@59.026,97.155
  Top Layer w0.7: U308.2@49.149,79.756 49.743,79.756 50.886,78.613 54.229,78.613 54.737,79.121 54.737,81.305 C339.2@54.5,81.542 ; U401.9@51.562,50.038 U401.10@52.832,50.038 ; C401.2@55.626,52.426 C401.2@55.753,52.553 ; C715.2@63.053,56.515 63.203,56.365 63.203,55.736 63.621,55.318 63.621,54.494 C714.2@64.445,54.494 ; C714.2@64.033,53.594 64.033,54.082 C714.2@64.445,54.494 ; v4(76.962,54.864) 65.303,54.864 64.933,54.494 C714.2@64.445,54.494
  Top Layer w1: U301.2@3.175,79.756 U302.2@12.446,79.756 U304.2@21.59,79.756 U305.2@30.734,79.756 U307.2@39.878,79.756 U308.2@49.149,79.756 ; U303.7@36.322,91.313 36.207,91.428 34.175,91.428 33.401,92.202 33.401,98.044 34.29,98.933 43.688,98.933 44.466,98.155 44.466,94.084 45.836,92.714 45.836,91.719 U306.1@45.861,91.694 ; C316.2@44.557,96.52 44.634,96.443 45.833,96.443 46.391,95.885 48.641,95.885 C332.1@55.753,95.885 ; C344.2@50.927,95.869 51.077,95.869 51.177,95.769 51.177,95.528 51.522,95.183 C331.2@51.522,92.964 C333.2@51.522,86.36 ; C350.2@51.308,89.281 51.351,89.238 51.351,88.746 C350.2@51.451,88.646 ; C333.2@51.369,86.36 C333.2@51.522,86.36 ; C333.2@51.435,85.979 51.522,86.066 C333.2@51.522,86.36 ; C339.2@54.5,81.542 54.5,83.242 54.176,83.566 54.063,83.566 53.528,84.101 C341.1@53.528,84.201 53.528,85.774 52.942,86.36 C333.2@51.522,86.36 ; C339.2@54.737,81.305 C339.2@54.762,81.28
  Bottom Layer w0.7: C331.2@51.522,92.964 68.453,92.964 69.596,91.821 69.596,67.183 70.612,66.167 76.327,66.167 76.962,65.532 v4(76.962,54.864) 76.962,52.959 ; P201.1@78.613,48.387 P201.1@78.74,48.26